# KiCad board open-TWIST_rev0.kicad_pcb (continued)
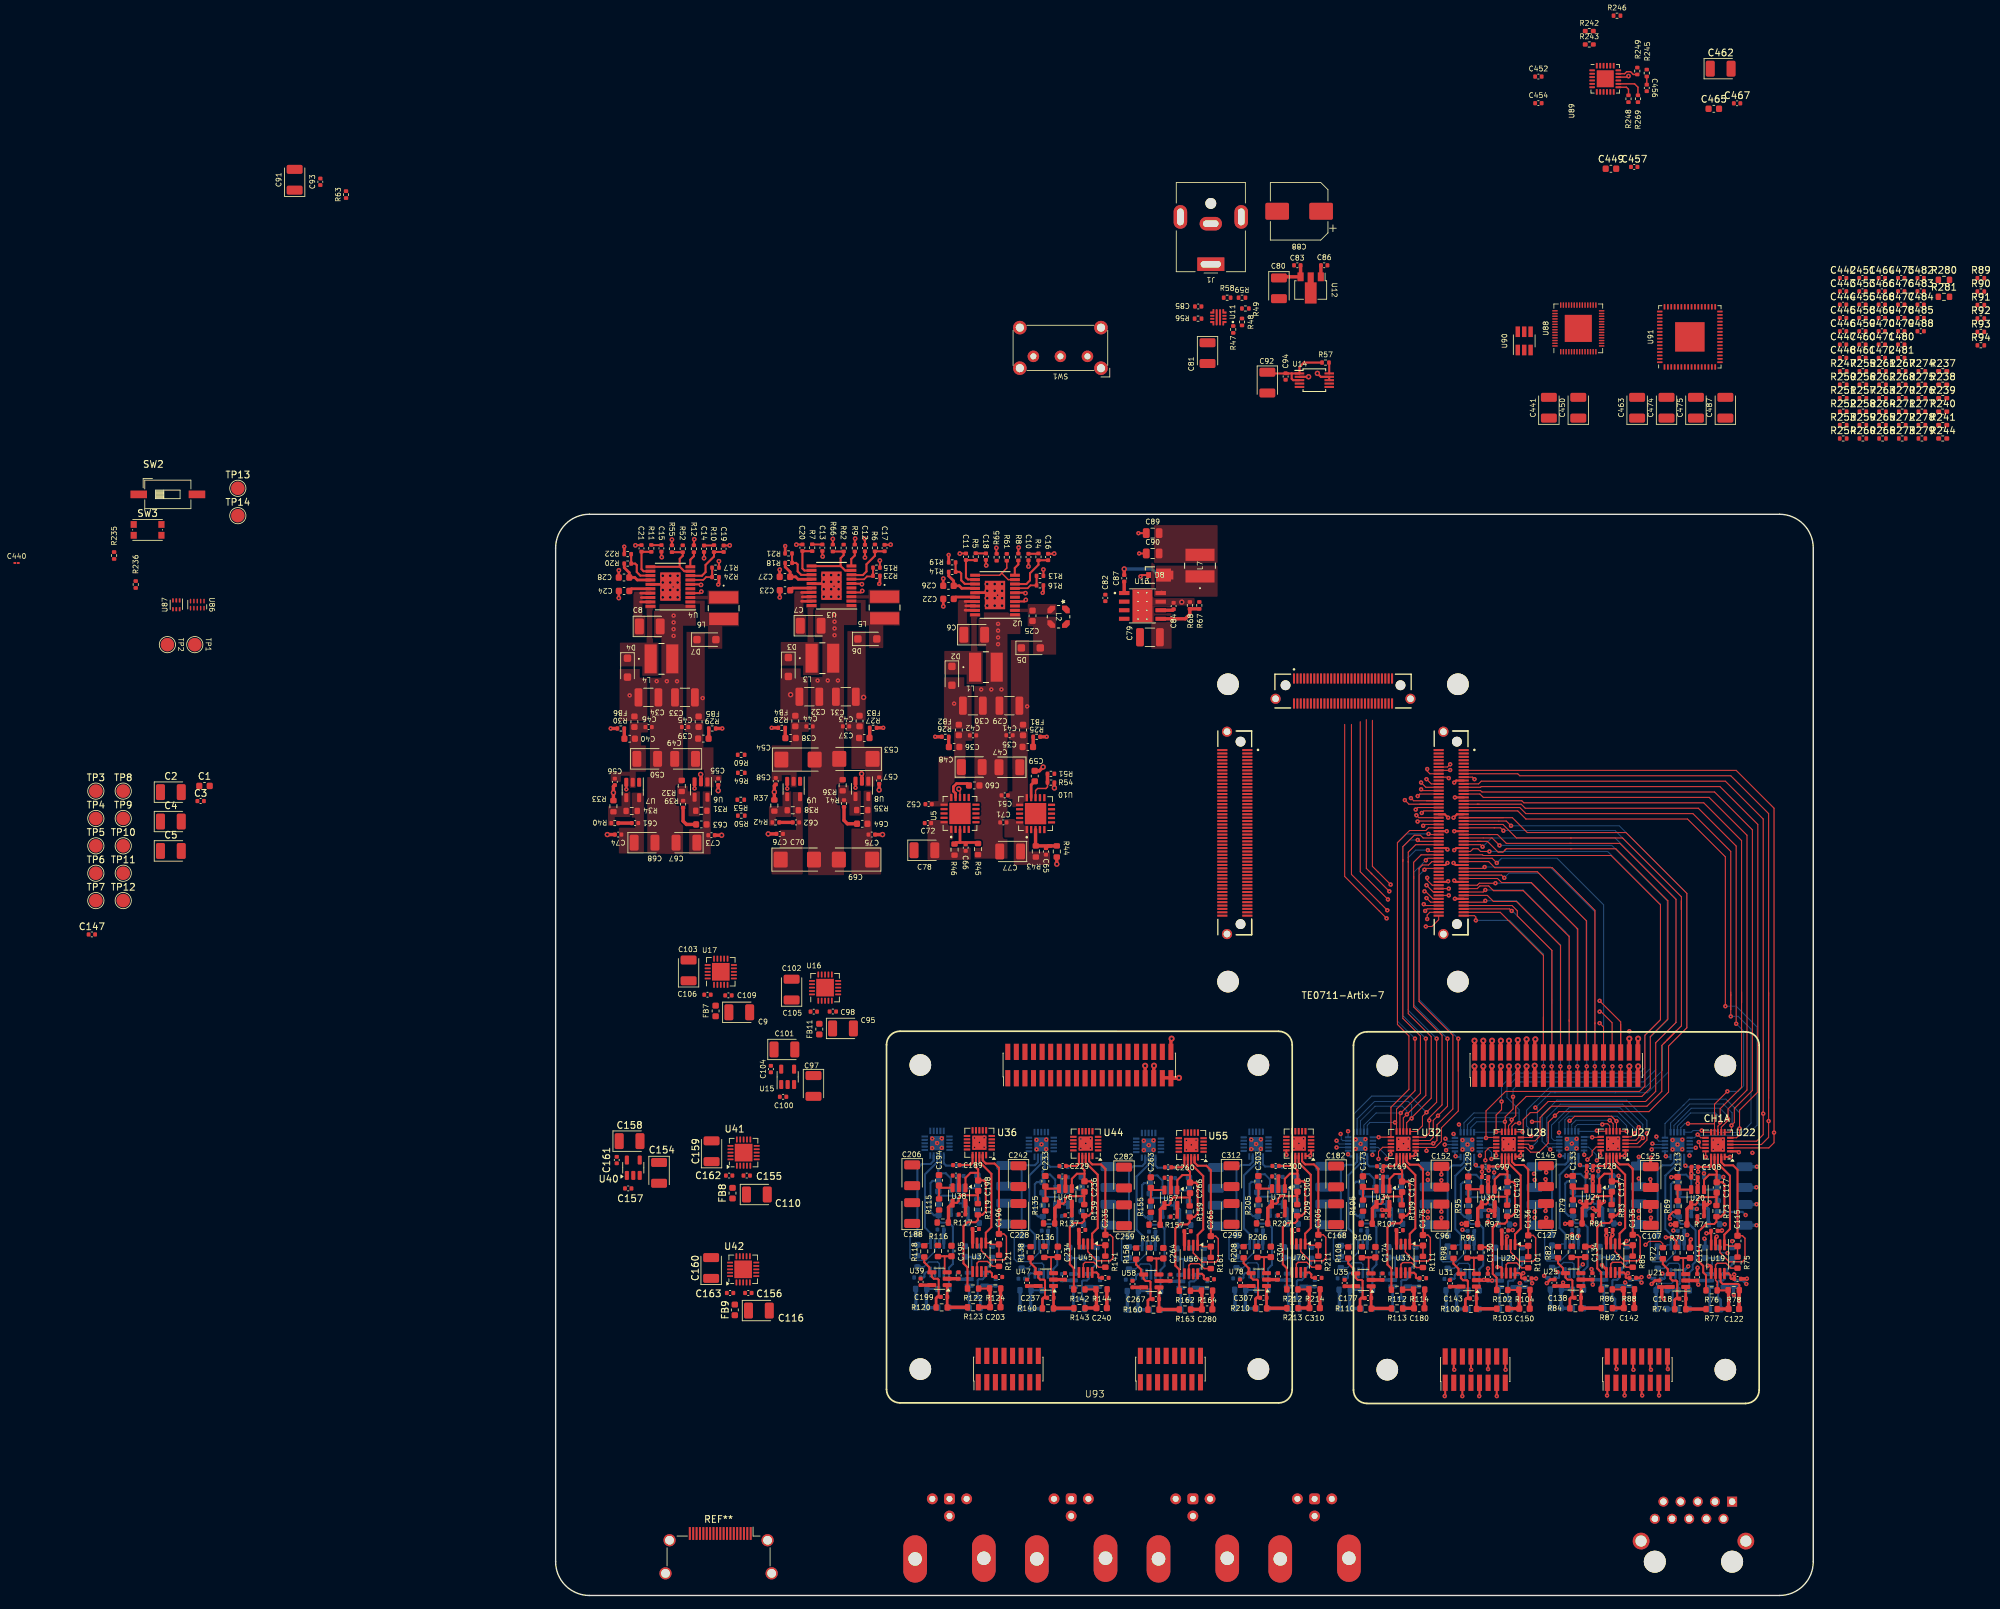
[diagram p0: board, top side]
## Routing (per net, layer and track width the routed paths; a pad name or vN(x,y) marks a point on that pad's centre or on a via; arc(x,y) is an arc through that point) (continued)
Net-(U4-COMP2): length 11.1
  TOP SIG w0.3: 62.13,153.22 60.71,153.22 60.68,153.25 60.68,150.65 60.98,150.35 62.01,150.35 ; R11.2 12.73,154.44 C21.2 12.7,151.88 13,151.57 14.02,151.57 ; 62.18,153.25 62.22,153.22 ; 14.2,154.48 14.24,154.44
Net-(U4-FB1): length 4.8
  TOP SIG w0.25: 19.92,150.28 21.83,150.28 22.25,150.7 R24.1
  TOP SIG w0.3: R24.1 23.15,150.71 23.15,152.1
Net-(U4-FB2): length 5.6
  TOP SIG w0.3: 14.02,150.93 12.52,150.93 12,151.45 12,152.47 11.77,152.7 R20.1 R22.1
Net-(U4-SS): length 2.4
  TOP SIG w0.3: 19.92,152.22 19.92,153.28 20.45,153.8 R12.2
Net-(U4-VREF): length 5.7
  TOP SIG w0.4: R20.2 10.15,152.1 10.89,151.36 C28.1 11.71,150.64 12.07,150.28 14.02,150.28
Net-(U4-VREG): length 3.3
  TOP SIG w0.4: 14.02,148.97 11.23,148.97 C24.2
Net-(U5-FB): length 5.6
  TOP SIG w0.4: R45.1 62.31,111.43 59.8,111.43 ; 59.8,111.43 59.22,111.43 R46.2 ; 59.8,111.43 59.81,111.44 U5.3
Net-(U5-NR/SS): length 4.3
  TOP SIG w0.4: 61.14,119.87 60.86,120.15 59.3,120.15 58.83,119.68 58.83,119.02 59.16,118.69 U5.14
Net-(U10-NR): length 2.6
  TOP SIG w0.4: C59.1 70.33,119.95 U10.14
Net-(U10-SENSE/FB): length 6.4
  TOP SIG w0.5: 73.27,110.92 R43.1 70.98,110.97 U10.3 ; 73.27,110.92 72.86,110.92 C65.1 ; 73.27,110.92 R44.2
Net-(U13-BOOT): length 1.7
  TOP SIG w0.5: U13.1 84.09,150.03 C87.1
Net-(U13-FB): length 6.8
  TOP SIG w0.5: R67.1 R68.2 93.8,145.2 93.13,144.53 U13.5
Net-(U13-SS): length 2
  TOP SIG w0.5: C84.1 91.26,145.8 U13.6
Net-(U13-SW): length 7.1
  TOP SIG w0.5: C87.2 v3(84.1,151.9) ; 89.6,148.45 U13.8
  BOT SIG w0.5: v3(84.1,151.9) 88.2,151.9 89.6,150.5
Net-(U14-SET): length 1.6
  TOP SIG w0.3: U14.10 114.41,182.41 R57.2
Net-(U19A--IN1): length 24.1
  TOP SIG w0.2: C115.1 175.53,53.24 175.9,52.86 175.9,49.76 175.53,49.39 173.56,49.39 172.2,50.75 U19.2
  TOP SIG w0.3: C115.1 174.8,63 174.15,63.65 172.86,63.65 172.4,64.12 172.4,64.94 172.4,64.25
Net-(U19A-OUT1): length 17.8
  TOP SIG w0.2: U19.1 173.38,51.89 173.58,51.69 C115.2 R75.2
  TOP SIG w0.3: U19.1 172.85,53.41 173.68,54.24 173.68,62.12 171.89,63.91 171.9,64.94
Net-(U19B--IN2): length 13.7
  TOP SIG w0.2: R76.1 171.79,45.99 171.8,46 171.8,46.4 171.55,46.65 U19.6 171.55,48.91 171.8,49.16 173.1,49.16 173.83,48.44 R75.1
  TOP SIG w0.3: R76.1 173.4,45.15 R78.1 173.49,45.25
  TOP SIG w0.5: R78.1 173.48,45.11 C122.1 171.82,42.4 R77.1
Net-(U20-+IN): length 4.1
  TOP SIG w0.3: U20.3 166.25,60.06 C113.2 165.94,60.38 R69.2
Net-(U20--IN): length 9.9
  TOP SIG w0.3: 168.03,57.7 U20.4 168,57.84 168.59,57.84 168.85,58.1 168.85,58.56 169.24,58.95 171.67,58.95 171.68,58.96 ; 171.68,58.96 171.68,59.56 C117.1 ; 171.68,58.96 R73.1
  TOP SIG w0.5: 167.34,54.7 167.34,57.18 U20.4
Net-(U21-+IN): length 4.5
  TOP SIG w0.25: 166.77,47.53 166.77,49.87 166.7,49.93
  TOP SIG w0.3: R70.2 165.83,49.93 C114.2
Net-(U21--IN): length 9.2
  TOP SIG w0.3: 164.5,47.53 164.5,48.29 163.75,49.03 R72.2 ; 165.9,43.91 165.88,43.93 165.88,46.46 165.74,46.6 165.16,46.6 164.87,46.9 U21.4
  TOP SIG w0.4: R74.1 165.5,43.74 165.68,43.91 C118.1
Net-(U23A--IN1): length 24.1
  TOP SIG w0.2: C135.1 160.03,53.38 160.4,53 160.4,49.9 160.03,49.53 158.06,49.53 156.7,50.89 U23.2
  TOP SIG w0.3: C135.1 159.3,63.14 158.65,63.79 157.36,63.79 156.9,64.26 156.9,65.08 156.9,64.39
Net-(U23A-OUT1): length 17.8
  TOP SIG w0.2: R85.2 C135.2 158.08,51.83 157.88,52.03 U23.1
  TOP SIG w0.3: U23.1 157.35,53.55 158.18,54.38 158.18,62.26 156.39,64.05 156.4,65.08
Net-(U23B--IN2): length 11.1
  TOP SIG w0.2: U23.6 156.05,49.05 156.3,49.3 157.6,49.3 158.33,48.58 R85.1
  TOP SIG w0.3: 157.99,45.39 157.9,45.29 R86.1
  TOP SIG w0.5: 157.91,45.31 157.98,45.25 C142.1 156.32,42.54 R87.1
Net-(U24-+IN): length 4.1
  TOP SIG w0.3: R79.2 150.44,60.52 C133.2 150.75,60.2 U24.3
Net-(U24--IN): length 11
  TOP SIG w0.3: 156.18,59.1 156.17,59.09 153.74,59.09 153.35,58.7 153.35,58.24 153.09,57.98 152.5,57.98 U24.4 152.53,57.84 ; 156.18,59.1 R83.1 ; 156.18,59.1 156.18,59.7 C137.1
  TOP SIG w0.4: U24.4 151.87,57.93 v1(151.5,58.3)
  TOP SIG w0.5: U24.4 151.84,57.32 151.84,54.84
Net-(U25-+IN): length 4.5
  TOP SIG w0.25: 151.2,50.07 151.27,50.01 151.27,47.67
  TOP SIG w0.3: R80.2 150.33,50.07 C134.2
Net-(U25--IN): length 9.2
  TOP SIG w0.3: R82.2 148.25,49.17 149,48.43 149,47.67 ; U25.4 149.37,47.04 149.66,46.74 150.24,46.74 150.38,46.6 150.38,44.07 150.4,44.06
  TOP SIG w0.4: R84.1 150,43.88 150.18,44.06 C138.1
Net-(U26C-nRST_SC0): length 1.7
  TOP SIG w0.15: U26.117 135.6,121.1 v1(135.9,120.8)
Net-(U28-IOUT1): length 24.1
  TOP SIG w0.2: U29.2 141.24,50.8 142.6,49.44 144.57,49.44 144.94,49.81 144.94,52.91 144.57,53.29 C136.1
  TOP SIG w0.3: 141.44,64.31 141.44,64.99 141.44,64.17 141.9,63.7 143.19,63.7 143.84,63.05 C136.1
Net-(U28-RFB): length 17.8
  TOP SIG w0.2: U29.1 142.42,51.94 142.62,51.74 C136.2 R101.2
  TOP SIG w0.3: U29.1 141.89,53.46 142.72,54.29 142.72,62.18 140.93,63.96 140.94,64.99
Net-(U29B--IN2): length 11.1
  TOP SIG w0.2: R101.1 142.87,48.49 142.14,49.21 140.84,49.21 140.59,48.96 U29.6
  TOP SIG w0.3: R102.1 142.44,45.21 142.53,45.3
  TOP SIG w0.5: 142.46,45.22 142.52,45.16 C150.1 140.86,42.46 R103.1
Net-(U30-+IN): length 4.1
  TOP SIG w0.3: U30.3 135.29,60.12 C129.2 134.98,60.43 R95.2
Net-(U30--IN): length 9.9
  TOP SIG w0.3: 140.72,59.02 140.72,59.61 C140.1 ; 140.72,59.02 R99.1 ; 140.72,59.02 140.71,59 138.28,59 137.89,58.61 137.89,58.16 137.63,57.89 137.04,57.89 U30.4 137.07,57.75
  TOP SIG w0.5: 136.38,54.75 136.38,57.23 U30.4
Net-(U31-+IN): length 4.5
  TOP SIG w0.25: 135.81,47.58 135.81,49.92 135.74,49.99
  TOP SIG w0.3: R96.2 134.87,49.99 C130.2
Net-(U31--IN): length 9.2
  TOP SIG w0.3: 134.94,43.97 134.92,43.98 134.92,46.51 134.78,46.65 134.21,46.65 133.91,46.95 U31.4 ; R98.2 132.79,49.09 133.53,48.34 133.53,47.58
  TOP SIG w0.4: C143.1 134.72,43.97 134.54,43.79 R100.1
Net-(U32-IOUT1): length 24.1
  TOP SIG w0.2: C175.1 129,53.33 129.37,52.96 129.37,49.86 129,49.48 127.03,49.48 125.67,50.85 U33.2
  TOP SIG w0.3: C175.1 128.27,63.1 127.62,63.75 126.33,63.75 125.87,64.21 125.87,65.04 125.87,64.35
Net-(U32-RFB): length 17.8
  TOP SIG w0.2: U33.1 126.85,51.98 127.05,51.78 C175.2 R111.2
  TOP SIG w0.3: 125.37,65.04 125.36,64.01 127.15,62.22 127.15,54.34 126.32,53.51 U33.1
Net-(U33B--IN2): length 11.1
  TOP SIG w0.2: U33.6 125.02,49.01 125.27,49.26 126.57,49.26 127.3,48.53 R111.1
  TOP SIG w0.3: 126.96,45.34 R114.1 126.87,45.25 R112.1
  TOP SIG w0.5: R114.1 126.95,45.21 C180.1 125.29,42.5 R113.1
Net-(U34-+IN): length 4.1
  TOP SIG w0.3: U34.3 119.72,60.16 C173.2 119.41,60.47 R105.2
Net-(U34--IN): length 9.9
  TOP SIG w0.3: 125.15,59.06 125.14,59.05 122.71,59.05 122.32,58.66 122.32,58.2 122.06,57.94 121.47,57.94 U34.4 121.5,57.8 ; 125.15,59.06 R109.1 ; 125.15,59.06 125.15,59.66 C176.1
  TOP SIG w0.5: U34.4 120.81,57.28 120.81,54.8
Net-(U35-+IN): length 4.5
  TOP SIG w0.25: 120.17,50.03 120.24,49.96 120.24,47.63
  TOP SIG w0.3: R106.2 119.3,50.03 C174.2
Net-(U35--IN): length 9.2
  TOP SIG w0.3: 119.37,44.01 119.35,44.03 119.35,46.55 119.21,46.7 118.63,46.7 118.34,47 U35.4 ; R108.2 117.22,49.13 117.97,48.39 117.97,47.63
  TOP SIG w0.4: C177.1 119.15,44.01 118.97,43.83 R110.1
Net-(U36-IOUT1): length 24.1
  TOP SIG w0.2: U37.2 62.97,51.02 64.33,49.66 66.3,49.66 66.67,50.03 66.67,53.13 66.3,53.51 C196.1
  TOP SIG w0.3: C196.1 65.57,63.27 64.92,63.92 63.63,63.92 63.17,64.39 63.17,65.21 63.17,64.52
Net-(U36-RFB): length 17.8
  TOP SIG w0.2: R121.2 C196.2 64.35,51.96 64.15,52.16 U37.1
  TOP SIG w0.3: U37.1 63.62,53.68 64.45,54.51 64.45,62.39 62.66,64.18 62.67,65.21
Net-(U37B--IN2): length 11.1
  TOP SIG w0.2: U37.6 62.32,49.18 62.57,49.43 63.87,49.43 64.6,48.71 R121.1
  TOP SIG w0.3: 64.26,45.52 R124.1 64.17,45.42 R122.1
  TOP SIG w0.5: R123.1 62.59,42.67 C203.1 64.25,45.38 R124.1
Net-(U38-+IN): length 4.1
  TOP SIG w0.3: U38.3 57.02,60.33 C194.2 56.71,60.65 R115.2
Net-(U38--IN): length 9.9
  TOP SIG w0.3: 62.45,59.23 62.44,59.22 60.01,59.22 59.62,58.83 59.62,58.37 59.36,58.11 58.77,58.11 U38.4 58.81,57.97 ; 62.45,59.23 R119.1 ; 62.45,59.23 62.45,59.83 C198.1
  TOP SIG w0.5: U38.4 58.11,57.45 58.11,54.97
Net-(U39-+IN): length 4.5
  TOP SIG w0.25: 57.54,47.8 57.54,50.14 57.47,50.2
  TOP SIG w0.3: C195.2 56.6,50.2 R116.2
Net-(U39--IN): length 9.2
  TOP SIG w0.3: U39.4 55.64,47.17 55.94,46.87 56.5,46.87 56.65,46.73 56.65,44.2 56.67,44.19 ; R118.2 54.52,49.3 55.27,48.56 55.27,47.8
  TOP SIG w0.4: R120.1 56.27,44 56.45,44.19 C199.1
Net-(U43-IOUT1): length 24.1
  BOT SIG w0.2: U48.2 56.11,50.95 54.75,49.58 52.78,49.58 52.41,49.96 52.41,53.06 52.78,53.43 C185.1
  BOT SIG w0.3: 55.92,64.45 55.92,65.14 55.92,64.31 55.45,63.85 54.16,63.85 53.51,63.2 C185.1
Net-(U43-RFB): length 17.8
  BOT SIG w0.2: U48.1 54.93,52.08 54.73,51.88 C185.2 R131.2
  BOT SIG w0.3: U48.1 55.46,53.61 54.63,54.44 54.63,62.32 56.42,64.11 56.42,65.14
Net-(U44-IOUT1): length 24.1
  TOP SIG w0.2: C235.1 82.03,53.38 82.4,53 82.4,49.9 82.03,49.53 80.06,49.53 78.7,50.89 U45.2
  TOP SIG w0.3: 78.89,64.39 78.89,65.08 78.89,64.26 79.36,63.79 80.65,63.79 81.3,63.14 C235.1
Net-(U44-RFB): length 17.8
  TOP SIG w0.2: U45.1 79.88,52.03 80.08,51.83 C235.2 R141.2
  TOP SIG w0.3: U45.1 79.35,53.55 80.18,54.38 80.18,62.26 78.39,64.05 78.39,65.08
Net-(U45B--IN2): length 11.1
  TOP SIG w0.2: R141.1 80.33,48.58 79.6,49.3 78.3,49.3 78.05,49.05 U45.6
  TOP SIG w0.3: 79.99,45.39 79.89,45.29 R142.1
  TOP SIG w0.5: R143.1 78.32,42.54 C240.1 79.98,45.25 79.92,45.31
Net-(U46-+IN): length 4.1
  TOP SIG w0.3: U46.3 72.75,60.2 C233.2 72.44,60.52 R135.2
Net-(U46--IN): length 9.9
  TOP SIG w0.3: C236.1 78.18,59.7 78.18,59.1 ; 78.18,59.1 78.17,59.09 75.74,59.09 75.35,58.7 75.35,58.24 75.09,57.98 74.5,57.98 U46.4 74.53,57.84 ; 78.18,59.1 R139.1
  TOP SIG w0.5: 73.83,54.84 73.83,57.32 U46.4
Net-(U47-+IN): length 4.5
  TOP SIG w0.25: 73.2,50.07 73.27,50.01 73.27,47.67
  TOP SIG w0.3: C234.2 72.33,50.07 R136.2
Net-(U47--IN): length 9.2
  TOP SIG w0.3: R138.2 70.25,49.17 71,48.43 71,47.67 ; 72.39,44.06 72.38,44.07 72.38,46.6 72.23,46.74 71.67,46.74 71.37,47.04 U47.4
  TOP SIG w0.4: R140.1 72,43.88 72.18,44.06 C237.1
Net-(U48B--IN2): length 11.1
  BOT SIG w0.2: U48.6 56.76,49.11 56.51,49.36 55.21,49.36 54.48,48.63 R131.1
  BOT SIG w0.3: 54.82,45.44 R134.1 54.92,45.35 R132.1
  BOT SIG w0.5: R133.1 56.49,42.6 C197.1 54.83,45.31 R134.1
Net-(U49-+IN): length 4.1
  BOT SIG w0.3: U49.3 62.06,60.26 C170.2 62.37,60.58 R125.2
Net-(U49--IN): length 9.9
  BOT SIG w0.3: 56.63,59.16 56.64,59.15 59.07,59.15 59.46,58.76 59.46,58.3 59.72,58.04 60.31,58.04 U49.4 60.28,57.9 ; 56.63,59.16 R129.1 ; 56.63,59.16 56.63,59.76 C186.1
  BOT SIG w0.5: 60.97,54.9 60.97,57.38 U49.4
Net-(U50-+IN): length 4.5
  BOT SIG w0.25: 61.54,47.73 61.54,50.06 61.61,50.13
  BOT SIG w0.3: C184.2 62.48,50.13 R126.2
Net-(U50--IN): length 9.2
  BOT SIG w0.3: R128.2 64.56,49.23 63.81,48.49 63.81,47.73 ; 62.42,44.11 62.43,44.13 62.43,46.65 62.58,46.8 63.14,46.8 63.44,47.1 U50.4
  BOT SIG w0.4: C187.1 62.63,44.11 62.81,43.93 R130.1
Net-(U51-IOUT1): length 24.1
  BOT SIG w0.2: U52.2 71.53,50.76 70.17,49.4 68.2,49.4 67.83,49.78 67.83,52.88 68.2,53.25 C215.1
  BOT SIG w0.3: C215.1 68.93,63.02 69.58,63.67 70.87,63.67 71.34,64.13 71.34,64.96 71.34,64.27
Net-(U51-RFB): length 17.8
  BOT SIG w0.2: U52.1 70.36,51.9 70.16,51.7 C215.2 R151.2
  BOT SIG w0.3: U52.1 70.88,53.43 70.05,54.25 70.05,62.14 71.84,63.92 71.84,64.96
Net-(U52B--IN2): length 11.1
  BOT SIG w0.2: U52.6 72.18,48.93 71.93,49.18 70.63,49.18 69.91,48.45 R151.1
  BOT SIG w0.3: 70.24,45.26 R154.1 70.34,45.17 R152.1
  BOT SIG w0.5: R154.1 70.25,45.12 C220.1 71.91,42.42 R153.1
Net-(U53-+IN): length 4.1
  BOT SIG w0.3: R145.2 77.79,60.39 C213.2 77.48,60.08 U53.3
Net-(U53--IN): length 9.9
  BOT SIG w0.3: R149.1 72.05,58.98 ; 72.05,58.98 72.06,58.97 74.49,58.97 74.88,58.58 74.88,58.12 75.14,57.86 75.73,57.86 U53.4 75.7,57.72 ; 72.05,58.98 72.05,59.58 C216.1
  BOT SIG w0.5: U53.4 76.4,57.19 76.4,54.72
Net-(U54-+IN): length 4.5
  BOT SIG w0.25: 77.03,49.95 76.96,49.88 76.96,47.54
  BOT SIG w0.3: C214.2 77.91,49.95 R146.2
Net-(U54--IN): length 9.2
  BOT SIG w0.3: U54.4 78.87,46.91 78.57,46.62 78,46.62 77.85,46.47 77.85,43.95 77.84,43.93 ; R148.2 79.98,49.05 79.24,48.31 79.24,47.54
  BOT SIG w0.4: C217.1 78.05,43.93 78.23,43.75 R150.1
Net-(U55-IOUT1): length 24.1
  TOP SIG w0.2: U56.2 94.3,50.69 95.67,49.33 97.63,49.33 98,49.7 98,52.8 97.63,53.18 C265.1
  TOP SIG w0.3: 94.5,64.19 94.5,64.88 94.5,64.06 94.96,63.59 96.25,63.59 96.9,62.94 C265.1
Net-(U55-RFB): length 17.8
  TOP SIG w0.2: U56.1 95.48,51.83 95.68,51.63 C265.2 R161.2
  TOP SIG w0.3: U56.1 94.95,53.35 95.78,54.18 95.78,62.06 93.99,63.85 94,64.88
Net-(U56B--IN2): length 11.1
  TOP SIG w0.2: R161.1 95.93,48.38 95.2,49.1 93.9,49.1 93.65,48.85 U56.6
  TOP SIG w0.3: R162.1 95.5,45.09 95.59,45.19
  TOP SIG w0.5: R163.1 93.92,42.34 C280.1 95.58,45.05 95.52,45.11
Net-(U57-+IN): length 4.1
  TOP SIG w0.3: R155.2 88.04,60.32 C263.2 88.35,60 90.05,60
Net-(U57--IN): length 9.9
  TOP SIG w0.3: 93.78,58.9 93.77,58.89 91.34,58.89 90.95,58.5 90.95,58.04 90.69,57.78 90.1,57.78 U57.4 90.14,57.64 ; 93.78,58.9 93.78,59.5 C266.1 ; 93.78,58.9 R159.1
  TOP SIG w0.5: 89.44,54.64 89.44,57.12 U57.4
Net-(U58-+IN): length 4.5
  TOP SIG w0.25: 88.8,49.87 88.87,49.81 88.87,47.47
  TOP SIG w0.3: C264.2 87.93,49.87 R156.2
Net-(U58--IN): length 9.2
  TOP SIG w0.3: 88,43.85 87.98,43.87 87.98,46.4 87.83,46.54 87.27,46.54 86.97,46.84 U58.4 ; 86.59,47.47 86.59,48.23 85.85,48.97 R158.2
  TOP SIG w0.4: R160.1 87.6,43.68 87.78,43.85 C267.1
Net-(U59-IOUT1): length 24.1
  BOT SIG w0.2: C245.1 131.21,53.22 130.84,52.85 130.84,49.75 131.21,49.37 133.18,49.37 134.54,50.74 U60.2
  BOT SIG w0.3: C245.1 131.94,62.99 132.59,63.64 133.88,63.64 134.35,64.1 134.35,64.93 134.35,64.24
Net-(U59-RFB): length 17.8
  BOT SIG w0.2: R171.2 C245.2 133.16,51.67 133.36,51.87 U60.1
  BOT SIG w0.3: U60.1 133.89,53.4 133.06,54.23 133.06,62.11 134.85,63.9 134.85,64.93
Net-(U60B--IN2): length 11.1
  BOT SIG w0.2: R171.1 132.91,48.42 133.64,49.15 134.94,49.15 135.19,48.9 U60.6
  BOT SIG w0.3: 133.25,45.23 R174.1 133.35,45.14 R172.1
  BOT SIG w0.5: R173.1 134.92,42.39 C250.1 133.26,45.09 R174.1
Net-(U61-+IN): length 4.1
  BOT SIG w0.3: R165.2 140.8,60.36 C230.2 140.49,60.05 U61.3
Net-(U61--IN): length 9.9
  BOT SIG w0.3: 135.06,58.95 135.06,59.55 C246.1 ; 135.06,58.95 135.07,58.94 137.5,58.94 137.89,58.55 137.89,58.09 138.15,57.83 138.74,57.83 U61.4 138.71,57.69 ; 135.06,58.95 R169.1
  BOT SIG w0.5: U61.4 139.41,57.16 139.41,54.69
Net-(U62-+IN): length 4.5
  BOT SIG w0.25: 140.04,49.92 139.97,49.85 139.97,47.52
  BOT SIG w0.3: R166.2 140.91,49.92 C244.2
Net-(U62--IN): length 9.2
  BOT SIG w0.3: 142.25,47.52 142.25,48.28 142.99,49.02 R168.2 ; U62.4 141.88,46.89 141.58,46.59 141.01,46.59 140.86,46.44 140.86,43.92 140.85,43.9
  BOT SIG w0.4: R170.1 141.24,43.72 141.06,43.9 C247.1
Net-(U63-IOUT1): length 24.1
  BOT SIG w0.2: U64.2 165.6,50.75 164.24,49.39 162.28,49.39 161.9,49.76 161.9,52.86 162.28,53.24 C270.1
  BOT SIG w0.3: C270.1 163,63 163.65,63.65 164.94,63.65 165.41,64.12 165.41,64.94 165.41,64.25
Net-(U63-RFB): length 17.8
  BOT SIG w0.2: R181.2 C270.2 164.22,51.69 164.43,51.89 U64.1
  BOT SIG w0.3: 165.91,64.94 165.91,63.91 164.12,62.12 164.12,54.24 164.95,53.41 U64.1
Net-(U64B--IN2): length 13.8
  BOT SIG w0.2: U64.6 166.25,48.91 166,49.16 164.7,49.16 163.97,48.44 R181.1
  BOT SIG w0.3: 165.2,45.15 165.2,42.4 ; 165.2,45.15 164.41,45.15 R184.1 164.31,45.25 ; 165.2,45.15 R182.1 166.01,45.91 166.25,46.15 U64.6
  BOT SIG w0.5: 164.32,45.11 R184.1 ; R183.1 165.98,42.4 C276.1
Net-(U65-+IN): length 4.1
  BOT SIG w0.3: 169.85,60.06 171.55,60.06 C258.2 171.86,60.38 R175.2
Net-(U65--IN): length 9.9
  BOT SIG w0.3: 166.12,58.96 166.13,58.95 168.56,58.95 168.95,58.56 168.95,58.1 169.21,57.84 169.8,57.84 169.85,57.79 169.77,57.7 ; 166.12,58.96 166.12,59.56 C271.1 ; 166.12,58.96 R179.1
  BOT SIG w0.5: 170.47,54.7 170.47,57.18 169.85,57.79
Net-(U66-+IN): length 4.5
  BOT SIG w0.25: 171.1,49.93 171.03,49.87 171.03,47.53
  BOT SIG w0.3: R176.2 171.97,49.93 C268.2
Net-(U66--IN): length 9.2
  BOT SIG w0.3: U66.4 172.94,46.9 172.64,46.6 172.07,46.6 171.92,46.46 171.92,43.93 171.91,43.91 ; R178.2 174.05,49.03 173.31,48.29 173.31,47.53
  BOT SIG w0.4: R180.1 172.3,43.74 172.12,43.91 C273.1
Net-(U67-IOUT1): length 24.1
  BOT SIG w0.2: U68.2 149.97,50.87 148.61,49.5 146.65,49.5 146.27,49.88 146.27,52.98 146.65,53.35 C290.1
  BOT SIG w0.3: 149.78,64.37 149.78,65.06 149.78,64.23 149.31,63.77 148.02,63.77 147.37,63.12 C290.1
Net-(U67-RFB): length 17.8
  BOT SIG w0.2: R191.2 C290.2 148.59,51.8 148.79,52 U68.1
  BOT SIG w0.3: U68.1 149.32,53.53 148.49,54.36 148.49,62.24 150.28,64.03 150.28,65.06
Net-(U68B--IN2): length 11.1
  BOT SIG w0.2: U68.6 150.62,49.03 150.37,49.28 149.07,49.28 148.34,48.55 R191.1
  BOT SIG w0.3: R192.1 148.78,45.27 R194.1 148.68,45.37
  BOT SIG w0.5: R194.1 148.69,45.22 C295.1 150.35,42.52 R193.1
Net-(U69-+IN): length 4.1
  BOT SIG w0.3: R185.2 156.23,60.5 C288.2 155.92,60.18 U69.3
Net-(U69--IN): length 9.9
  BOT SIG w0.3: R189.1 150.49,59.08 ; 150.49,59.08 150.5,59.07 152.93,59.07 153.32,58.68 153.32,58.22 153.58,57.96 154.17,57.96 U69.4 154.14,57.82 ; 150.49,59.08 150.49,59.68 C291.1
  BOT SIG w0.5: 154.84,54.82 154.84,57.3 U69.4
Net-(U70-+IN): length 4.5
  BOT SIG w0.25: 155.47,50.05 155.4,49.98 155.4,47.65
  BOT SIG w0.3: C289.2 156.34,50.05 R186.2
Net-(U70--IN): length 9.2
  BOT SIG w0.3: 157.68,47.65 157.68,48.41 158.42,49.15 R188.2 ; 156.28,44.03 156.29,44.05 156.29,46.57 156.44,46.72 157.01,46.72 157.31,47.02 U70.4
  BOT SIG w0.4: C292.1 156.49,44.03 156.67,43.85 R190.1
Net-(U71-IOUT1): length 24.1
  BOT SIG w0.2: C320.1 99.97,53.3 99.59,52.92 99.59,49.82 99.97,49.45 101.93,49.45 103.29,50.81 U72.2
  BOT SIG w0.3: 103.1,64.31 103.1,65 103.1,64.17 102.64,63.71 101.34,63.71 100.69,63.06 C320.1
Net-(U71-RFB): length 17.8
  BOT SIG w0.2: U72.1 102.12,51.95 101.92,51.75 C320.2 R201.2
  BOT SIG w0.3: 103.6,65 103.6,63.97 101.81,62.18 101.81,54.3 102.64,53.47 U72.1
Net-(U72B--IN2): length 11.1
  BOT SIG w0.2: U72.6 103.94,48.97 103.69,49.22 102.39,49.22 101.67,48.5 R201.1
  BOT SIG w0.3: R202.1 102.1,45.21 R204.1 102,45.31
  BOT SIG w0.5: R204.1 102.02,45.17 C325.1 103.67,42.46 R203.1
Net-(U73-+IN): length 4.1
  BOT SIG w0.3: 109.56,58.48 109.56,60.44 C318.2 109.24,60.12 U73.3
Net-(U73--IN): length 9.9
  BOT SIG w0.3: 103.81,59.02 103.83,59.01 106.25,59.01 106.64,58.62 106.64,58.16 106.91,57.9 107.5,57.9 U73.4 107.46,57.76 ; 103.81,59.02 103.81,59.62 103.78,59.66 ; 103.81,59.02 103.81,57.77
  BOT SIG w0.5: U73.4 108.16,57.24 108.16,54.76
Net-(U74-+IN): length 4.5
  BOT SIG w0.25: 108.79,49.99 108.72,49.93 108.72,47.59
  BOT SIG w0.3: R196.2 109.67,49.99 C319.2
Net-(U74--IN): length 9.2
  BOT SIG w0.3: U74.4 110.63,46.96 110.33,46.66 109.76,46.66 109.62,46.52 109.62,43.99 109.6,43.97 ; 111,47.59 111,48.35 111.74,49.09 R198.2
  BOT SIG w0.4: R200.1 110,43.79 109.81,43.97 C322.1
Net-(U75-IOUT1): length 24.1
  TOP SIG w0.2: U76.2 110.2,50.89 111.56,49.53 113.53,49.53 113.9,49.9 113.9,53 113.53,53.38 C305.1
  TOP SIG w0.3: C305.1 112.8,63.14 112.15,63.79 110.86,63.79 110.39,64.26 110.39,65.08 110.39,64.39
Net-(U75-RFB): length 17.8
  TOP SIG w0.2: U76.1 111.38,52.03 111.58,51.83 C305.2 R211.2
  TOP SIG w0.3: 109.89,65.08 109.89,64.05 111.68,62.26 111.68,54.38 110.85,53.55 U76.1
Net-(U76B--IN2): length 11.1
  TOP SIG w0.2: U76.6 109.55,49.05 109.8,49.3 111.1,49.3 111.83,48.58 R211.1
  TOP SIG w0.3: 111.49,45.39 R214.1 111.4,45.29 R212.1
  TOP SIG w0.5: R213.1 109.82,42.54 C310.1 111.48,45.25 R214.1
Net-(U77-+IN): length 4.1
  TOP SIG w0.3: U77.3 104.25,60.2 C303.2 103.94,60.52 R205.2
Net-(U77--IN): length 9.9
  TOP SIG w0.3: C306.1 109.68,59.7 109.68,59.1 ; 109.68,59.1 109.67,59.09 107.24,59.09 106.85,58.7 106.85,58.24 106.59,57.98 106,57.98 U77.4 106.03,57.84 ; 109.68,59.1 R209.1
  TOP SIG w0.5: U77.4 105.33,57.32 105.33,54.84
Net-(U78-+IN): length 4.5
  TOP SIG w0.25: 104.7,50.07 104.77,50.01 104.77,47.67
  TOP SIG w0.3: C304.2 103.83,50.07 R206.2
Net-(U78--IN): length 9.2
  TOP SIG w0.3: 103.89,44.06 103.88,44.07 103.88,46.6 103.73,46.74 103.17,46.74 102.87,47.04 U78.4 ; R208.2 101.75,49.17 102.5,48.43 102.5,47.67
  TOP SIG w0.4: R210.1 103.5,43.88 103.68,44.06 C307.1
Net-(U79-IOUT1): length 24.1
  BOT SIG w0.2: U80.2 87.4,50.63 86.04,49.27 84.08,49.27 83.7,49.64 83.7,52.74 84.08,53.12 C335.1
  BOT SIG w0.3: C335.1 84.8,62.88 85.45,63.53 86.74,63.53 87.21,64 87.21,64.82 87.21,64.13
Net-(U79-RFB): length 17.8
  BOT SIG w0.2: R221.2 C335.2 86.03,51.57 86.22,51.77 U80.1
  BOT SIG w0.3: U80.1 86.75,53.29 85.92,54.12 85.92,62.01 87.71,63.79 87.71,64.82
Net-(U80B--IN2): length 11.1
  BOT SIG w0.2: R221.1 85.78,48.32 86.5,49.04 87.8,49.04 88.05,48.79 U80.6
  BOT SIG w0.3: R222.1 86.21,45.03 R224.1 86.11,45.13
  BOT SIG w0.5: R224.1 86.12,44.99 C340.1 87.78,42.28 R223.1
Net-(U81-+IN): length 4.1
  BOT SIG w0.3: 91.66,59.95 93.35,59.95 C333.2 93.66,60.26 R215.2
Net-(U81--IN): length 9.9
  BOT SIG w0.3: 87.92,58.84 87.93,58.83 90.36,58.83 90.75,58.44 90.75,57.98 91.01,57.72 91.6,57.72 91.66,57.67 91.57,57.58 ; 87.92,58.84 87.92,59.44 C336.1 ; 87.92,58.84 R219.1
  BOT SIG w0.5: 92.27,54.58 92.27,57.06 91.66,57.67
Net-(U82-+IN): length 4.5
  BOT SIG w0.25: 92.83,47.41 92.83,49.75 92.9,49.82
  BOT SIG w0.3: R216.2 93.78,49.82 C334.2
Net-(U82--IN): length 9.2
  BOT SIG w0.3: R218.2 95.85,48.92 95.11,48.17 95.11,47.41 ; 93.71,43.8 93.72,43.81 93.72,46.34 93.87,46.48 94.44,46.48 94.74,46.78 U82.4
  BOT SIG w0.4: C337.1 93.92,43.8 94.1,43.62 R220.1
Net-(U83-IOUT1): length 24.1
  BOT SIG w0.2: C350.1 115.41,53.31 115.04,52.94 115.04,49.84 115.41,49.46 117.38,49.46 118.74,50.83 U84.2
  BOT SIG w0.3: C350.1 116.14,63.08 116.79,63.73 118.08,63.73 118.55,64.19 118.55,65.02 118.55,64.33
Net-(U83-RFB): length 17.8
  BOT SIG w0.2: U84.1 117.56,51.96 117.36,51.76 C350.2 R231.2
  BOT SIG w0.3: U84.1 118.09,53.49 117.26,54.32 117.26,62.2 119.05,63.99 119.05,65.02
Net-(U84B--IN2): length 11.1
  BOT SIG w0.2: U84.6 119.39,48.99 119.14,49.24 117.84,49.24 117.11,48.51 R231.1
  BOT SIG w0.3: 117.45,45.32 R234.1 117.55,45.23 R232.1
  BOT SIG w0.5: R233.1 119.12,42.48 C355.1 117.46,45.19 R234.1
Net-(U85-+IN): length 4.1
  BOT SIG w0.3: R225.2 125,60.45 C348.2 124.69,60.14 U85.3
Net-(U85--IN): length 9.9
  BOT SIG w0.3: R229.1 119.26,59.04 ; 119.26,59.04 119.26,59.64 C351.1 ; 119.26,59.04 119.27,59.03 121.7,59.03 122.09,58.64 122.09,58.18 122.35,57.92 122.94,57.92 U85.4 122.91,57.78
  BOT SIG w0.5: 123.61,54.78 123.61,57.25 U85.4
Net-(U89-RESET_N): length 1.2
  TOP SIG w0.2: R245.1 C456.1
Net-(U89-SMBCLK/CFG_SEL0): length 4
  TOP SIG w0.2: U89.14 159.57,223.69 160.07,223.19 160.07,222.3
Net-(U89-SMBDATA/NON_REM1_): length 2.2
  TOP SIG w0.2: U89.13 158.38,223.19 158.68,222.89 158.68,222.3
Net-(U89-SUSP_IND/LOCAL_PWR_): length 3.2
  TOP SIG w0.2: 159.87,225.19 R249.1 159.38,225.08 158.98,225.49 158.41,225.49 158.11,225.19 U89.17
Net-(U89-VBUS_DET): length 1.6
  TOP SIG w0.2: U89.16 158.53,224.69 v4(158.68,224.84)
Net-(U92-+IN): length 4.5
  BOT SIG w0.25: 124.17,47.61 124.17,49.94 124.24,50.01
  BOT SIG w0.3: R226.2 125.11,50.01 C349.2
Net-(U92--IN): length 9.2
  BOT SIG w0.3: 126.45,47.61 126.45,48.37 127.19,49.11 R228.2 ; U92.4 126.07,46.98 125.78,46.68 125.21,46.68 125.06,46.53 125.06,44.01 125.05,43.99
  BOT SIG w0.4: R230.1 125.44,43.81 125.26,43.99 C352.1
unconnected-(U26C-B35_L1_N/C5-Pad182): length 9.6
  TOP SIG w0.15: U26.182 129.65,105.1 128.9,105.85 v1(128.9,106.2)
  IN1 w0.15: 123.2,109.9 124.6,109.9 128.3,106.2 v1(128.9,106.2)
unconnected-(U26C-B35_L1_P/C6-Pad184): length 20.6
  TOP SIG w0.15: U26.184 v1(132.1,104.6)
  IN1 w0.15: 121,94.5 121,96.5 122.5,98 128.7,98 129.9,99.2 129.9,103.7 130.8,104.6 v1(132.1,104.6)
unconnected-(U26C-B35_L4_N/C7-Pad186): length 16.5
  TOP SIG w0.15: U26.186 129.8,104.1 v1(128.8,105.1)
  IN1 w0.15: v1(128.8,105.1) 126.6,105.1 124.9,106.8 121,106.8 119.3,105.1 119.3,101.7

## Copper pours and planes (outline as drawn; the poured copper is in the pictures)
+3V3 on TOP SIG: 88.5,158.4 97.9,158.4 97.9,152.8 88.5,152.8
+5VA on TOP SIG: 73.12,108.1 67.75,108.1 67.75,112.17 66.37,112.17 66.37,114.9 69.32,114.9 69.32,114.03 70,114.03 70,110.1 73.12,110.1
-5VA on TOP SIG: 55,108.86 61.4,108.86 61.4,110.66 58.3,110.66 58.3,111.86 58.8,111.86 58.8,114.76 55,114.76
GND on TOP SIG: 88.2,147.6 94.5,147.6 94.5,146.5 88.2,146.5
GND on TOP SIG: 68.73,145.47 63.33,145.47 63.33,144.47 62.53,144.47 62.53,140.47 63.63,140.47 63.63,134.57 61.93,134.57 61.92,109.03 66.83,109.03 66.83,142.28 68.73,142.28
GND on TOP SIG: 44.55,146.8 39.15,146.8 39.15,145.8 38.35,145.8 38.35,141.8 39.45,141.8 39.45,135.9 37.75,135.9 37.75,121.2 37.35,121.2 37.35,106.6 42.65,106.6 42.65,143.6 44.55,143.6
GND on TOP SIG: 88.1,158.4 88.1,140.1 91.1,140.1 91.1,158.4
GND on TOP SIG: 20.75,146.7 15.35,146.7 15.35,145.7 14.55,145.7 14.55,141.7 15.65,141.7 15.65,135.8 13.95,135.8 13.95,121.1 13.55,121.1 13.55,109.8 18.85,109.7 18.85,143.5 20.75,143.5
GND on GND1, GND2: 186,0.1 186,160 0,160 0,0
Vin on TOP SIG: 36.65,148.75 35.3,148.75 35.3,142.1 37.05,142.1 37.05,145.15 36.65,145.15
Vin on TOP SIG: 12.85,148.65 11.5,148.65 11.5,142 13.25,142 13.25,145.05 12.85,145.05
Vin on TOP SIG: 60.83,147.43 59.48,147.43 59.48,140.78 61.23,140.78 61.23,143.82 60.83,143.82
+VANH on TOP SIG: 43.75,106.7 48.15,106.7 48.15,110.8 46.75,110.8 46.75,119.1 45.55,119.1 45.55,113.5 43.75,113.5
+VANL on TOP SIG: 19.75,109.7 22.95,109.7 22.95,119 21.75,119 21.75,113.4 19.75,113.4
-VANH on TOP SIG: 36.55,106.7 31.95,106.7 31.95,110.6 33.15,110.6 33.15,113.3 35.55,113.3 35.55,115.2 35.05,115.2 35.05,118.9 36.55,118.9
-VANL on TOP SIG: 13.05,109.8 9.35,109.8 9.35,113.6 11.75,113.6 11.75,115.1 11.25,115.1 11.25,118.8 13.05,118.8
Net-(C36-Pad1) on TOP SIG: 55.16,117.56 56.6,117.56 56.62,124.16 58.93,124.16 58.93,127.97 61.63,127.97 61.63,126.47 60.63,126.47 60.62,120.88 59,120.88 59,116.76 55.16,116.76
Net-(D2-A) on TOP SIG: 61.53,128.18 57.43,128.18 57.43,135.88 60.43,135.88 60.43,134.57 61.53,134.57
Net-(D2-K) on TOP SIG: 61.23,145.43 61.23,144.82 61.43,144.82 61.43,139.78 57.48,139.78 57.48,136.28 60.78,136.28 60.78,134.88 63.18,134.88 63.18,139.78 62.38,139.78 62.38,144.82 62.83,144.82 62.83,145.43
Net-(D3-A) on TOP SIG: 37.35,129.5 33.25,129.5 33.25,137.2 36.25,137.2 36.25,135.9 37.35,135.9
Net-(D3-K) on TOP SIG: 37.05,146.75 37.05,146.15 37.25,146.15 37.25,141.1 33.3,141.1 33.3,137.6 36.6,137.6 36.6,136.2 39,136.2 39,141.1 38.2,141.1 38.2,146.15 38.65,146.15 38.65,146.75
Net-(D4-A) on TOP SIG: 13.55,129.4 9.45,129.4 9.45,137.1 12.45,137.1 12.45,135.8 13.55,135.8
Net-(D4-K) on TOP SIG: 13.25,146.65 13.25,146.05 13.45,146.05 13.45,141 9.5,141 9.5,137.5 12.8,137.5 12.8,136.1 15.2,136.1 15.2,141 14.4,141 14.4,146.05 14.85,146.05 14.85,146.65
Net-(D5-A) on TOP SIG: 69.83,144.84 69.83,143.44 70.62,143.44 70.62,139.24 74.03,139.24 74.03,144.84
Net-(D5-K) on TOP SIG: 67.33,128.18 70.03,128.18 70.03,141.38 67.33,141.38
Net-(D6-A) on TOP SIG: 46.35,143.54 45.15,143.55 45.15,146.88 42.98,146.88 42.98,147.38 45.85,147.38 45.85,145.62 50.92,145.62 50.92,143.53 48.45,143.54 48.45,140.2 46.35,140.2
Net-(D6-K) on TOP SIG: 43.15,129.5 45.85,129.5 45.85,142.7 43.15,142.7
Net-(D7-A) on TOP SIG: 22.55,143.44 21.35,143.45 21.35,146.78 19.17,146.78 19.17,147.28 22.05,147.28 22.05,145.53 27.12,145.53 27.12,143.43 24.65,143.44 24.65,140.1 22.55,140.1
Net-(D7-K) on TOP SIG: 19.35,129.4 22.05,129.4 22.05,142.6 19.35,142.6
Net-(U2-SW1) on TOP SIG: 67.15,145.53 67.15,146.03 69.83,146.01 69.83,146.72 74.07,146.72 74.07,145.18 69.82,145.18 69.82,145.53
Net-(U3-INBK) on TOP SIG: 42.98,147.53 42.98,148.03 46.27,148.03 46.27,148.82 50.92,148.82 50.92,146.78 46.3,146.78 46.3,147.53
Net-(U4-INBK) on TOP SIG: 19.17,147.43 19.17,147.93 22.48,147.93 22.48,148.72 27.12,148.72 27.12,146.68 22.5,146.68 22.5,147.43
Net-(U6-SENSE/ADJ) on TOP SIG: 21.35,115.3 19.65,115.3 19.65,117.1 17.95,117.1 17.95,119.8 19.55,119.8 19.55,119 21.35,119
Net-(U6-VIN) on TOP SIG: 21.95,122.2 19.55,122.2 19.55,127.8 19.05,127.8 19.05,129.2 21.85,129.2 21.85,125.5 23.35,125.5 23.35,121.4 24.55,121.4 24.55,120.5 23.35,120.5 23.35,119.6 21.95,119.6
Net-(U7-ADJ) on TOP SIG: 8.75,113.9 7.75,113.9 7.75,116.8 9.75,116.8 9.75,119 11.05,119 11.05,115.2 8.75,115.2
Net-(U7-VIN) on TOP SIG: 11.85,119.5 10.95,119.5 10.95,121.3 9.65,121.3 9.65,120.4 8.15,120.4 8.15,121.9 10.95,121.9 10.95,129.2 13.65,129.2 13.65,127.7 12.65,127.7 12.65,125.8 13.35,125.8 13.35,121.9 11.85,121.9
Net-(U8-SENSE/ADJ) on TOP SIG: 45.15,115.4 43.45,115.4 43.45,117.2 41.75,117.2 41.75,119.9 43.35,119.9 43.35,119.1 45.15,119.1
Net-(U8-VIN) on TOP SIG: 45.75,122.3 43.75,122.3 43.75,127.9 42.85,127.9 42.85,129.3 45.65,129.3 45.65,125.6 48.35,125.6 48.35,120.6 47.15,120.6 47.15,119.7 45.75,119.7
Net-(U9-ADJ) on TOP SIG: 32.55,113.9 31.55,113.9 31.55,116.8 33.55,116.8 33.55,119 34.85,119 34.85,115.2 32.55,115.2
Net-(U9-VIN) on TOP SIG: 35.65,119.6 34.75,119.6 34.75,121.4 33.45,121.4 33.45,120.5 31.95,120.5 31.95,125.8 34.75,125.8 34.75,129.3 37.45,129.3 37.45,127.8 36.45,127.8 36.45,122 35.65,122
Net-(U10-IN_15) on TOP SIG: 67.55,116.66 67.55,117.85 66.56,117.85 66.56,119 67.55,119 67.53,126.58 67.03,126.58 67.03,127.97 69.83,127.97 69.83,124.28 69.86,116.66
Net-(U13-SW) on TOP SIG: 88.5,148.9 88.8,148.9 88.8,152.4 97.9,152.4 97.9,147.8 88.5,147.8

## Text on the board
F.Silkscreen: CH1A
